# Altium PCB BACKPMANv21.PcbDoc (part 1 of 5)
Units mm, origin at the board's own origin, x right, y up, seen from the top; angles counter-clockwise.
Board outline 113 x 160 mm, 4 copper layers (Component Side, Layer 1, Layer 2, Bottom Layer), stack 1.637 mm thick; 353 components, 234 nets, 1200 pads, 796 vias.
Unrouted connection lines stored in the file: 4.
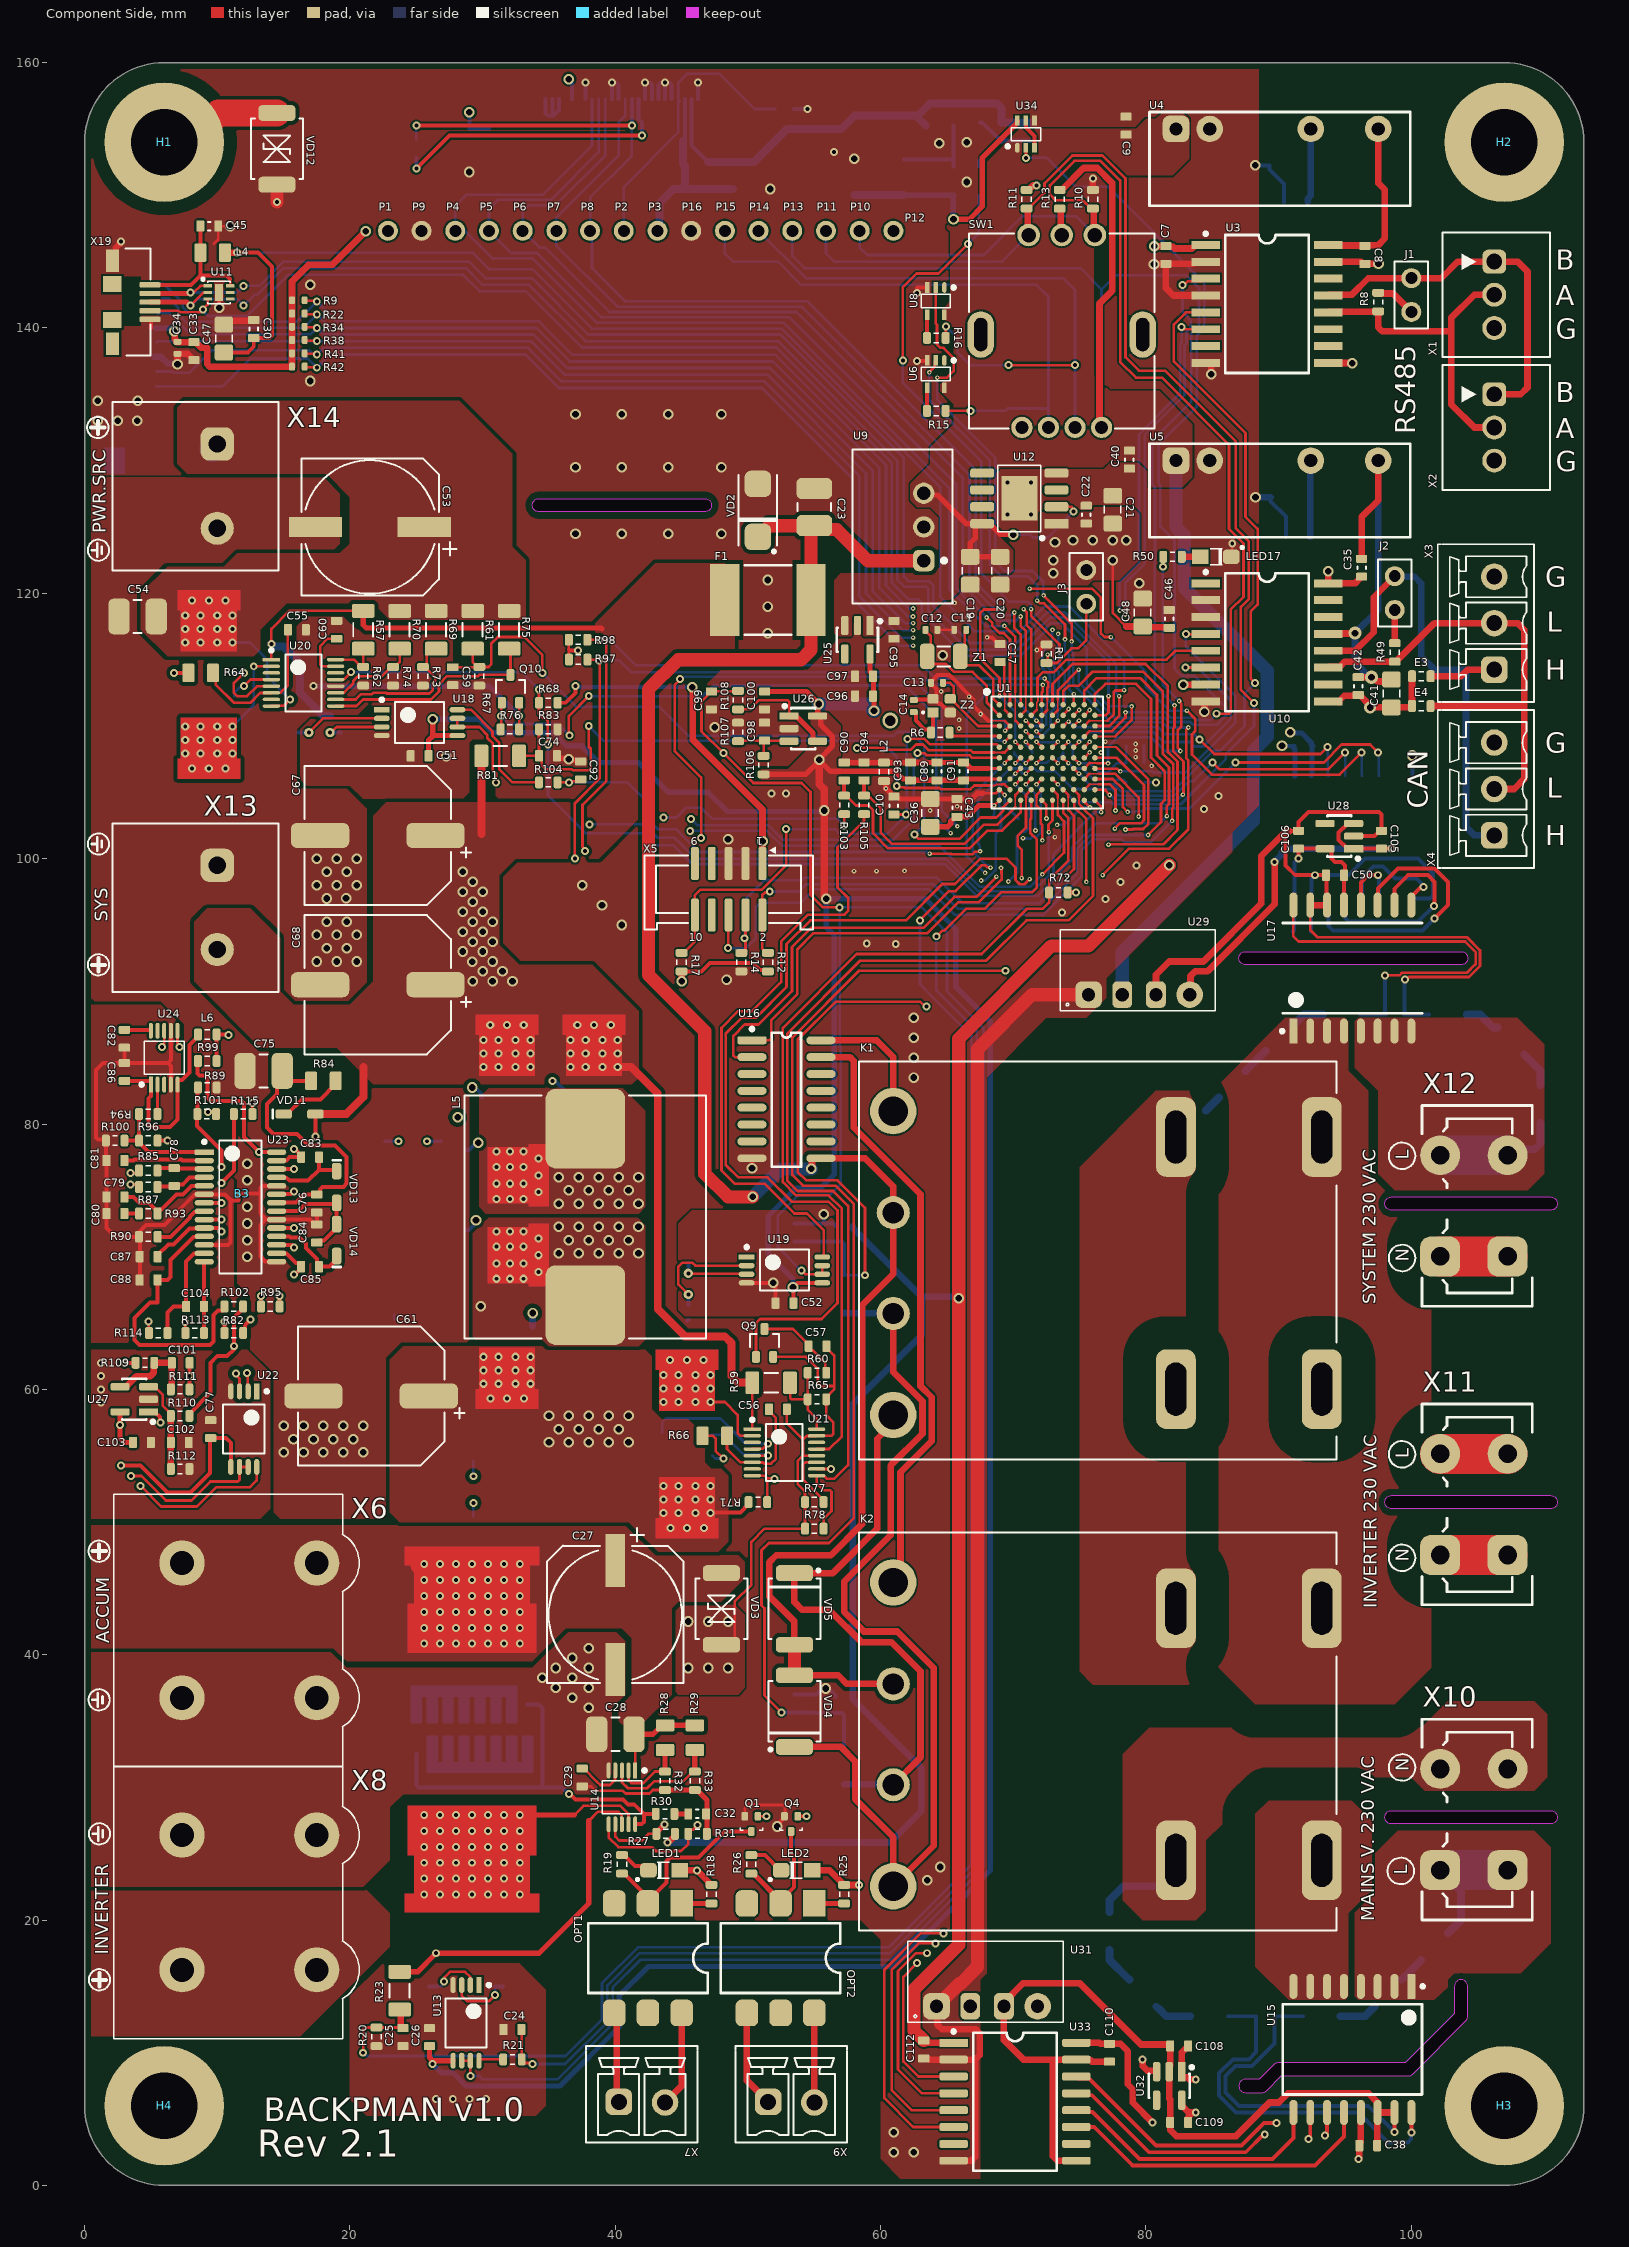
[diagram p0: Component Side view]
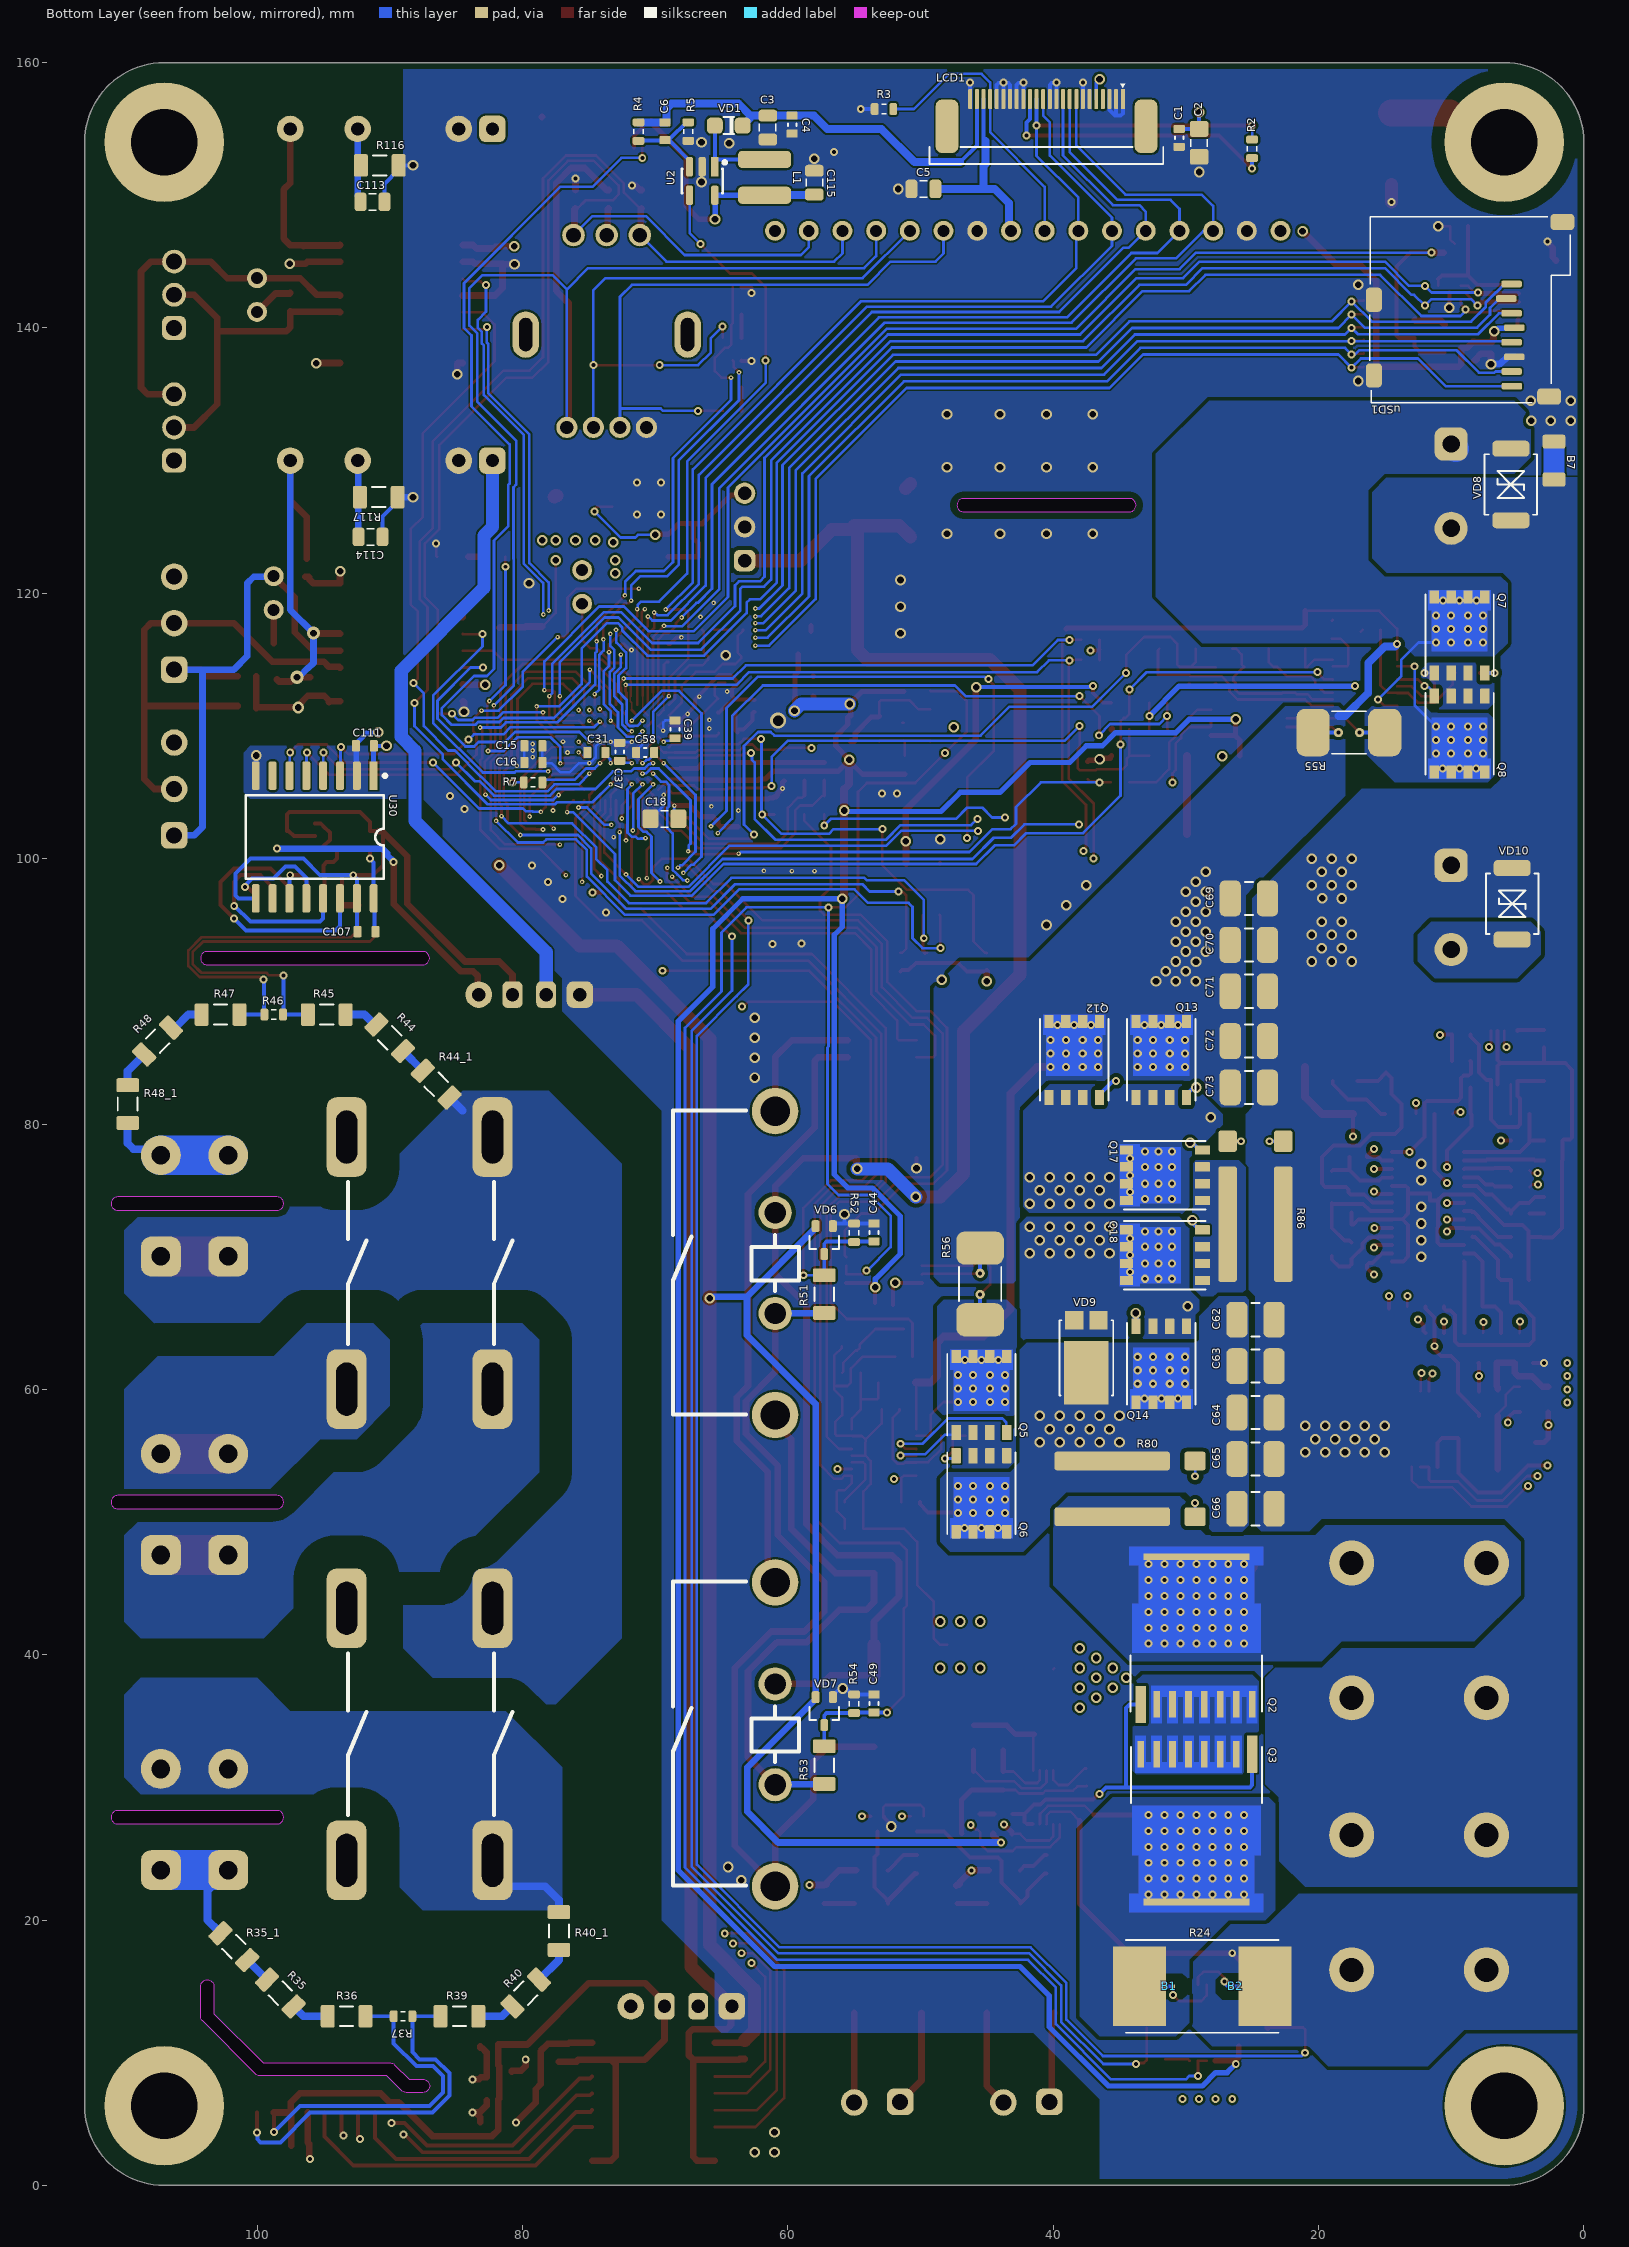
[diagram p1: Bottom Layer view, seen from below]
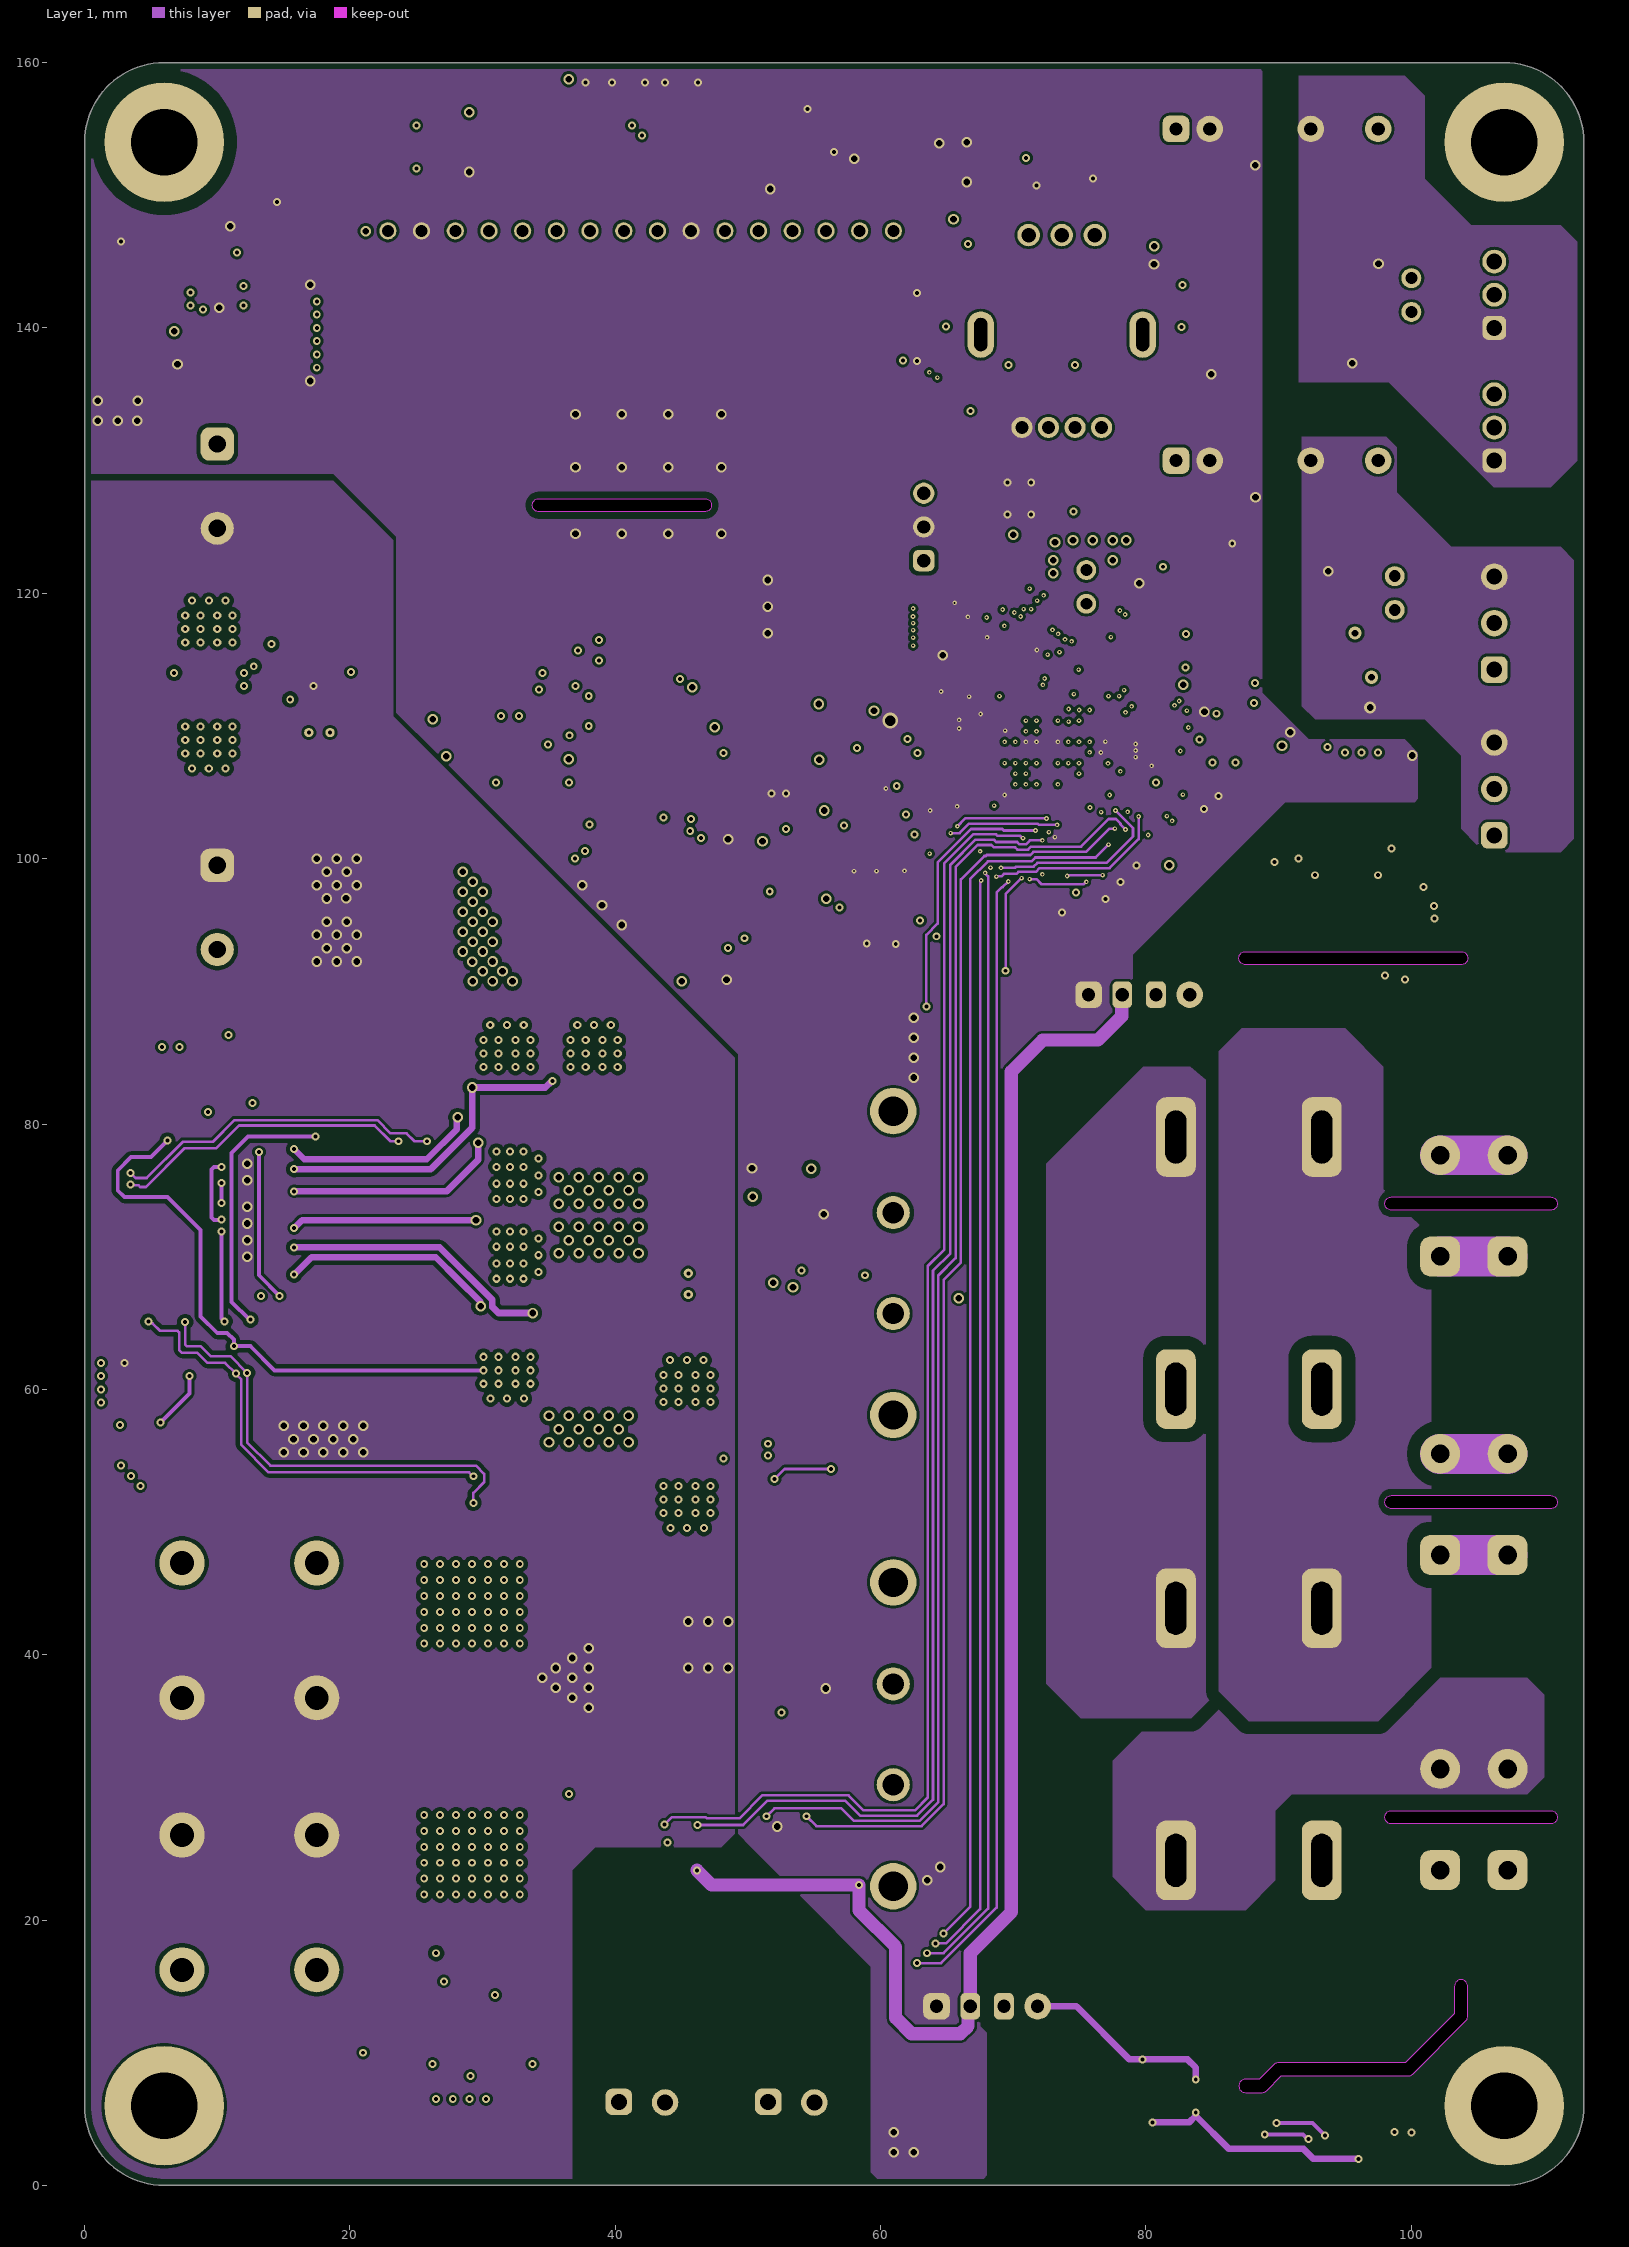
[diagram p2: Layer 1]